# Altium PCB Time4CM4_Modular.PcbDoc (part 2 of 2) (continued)
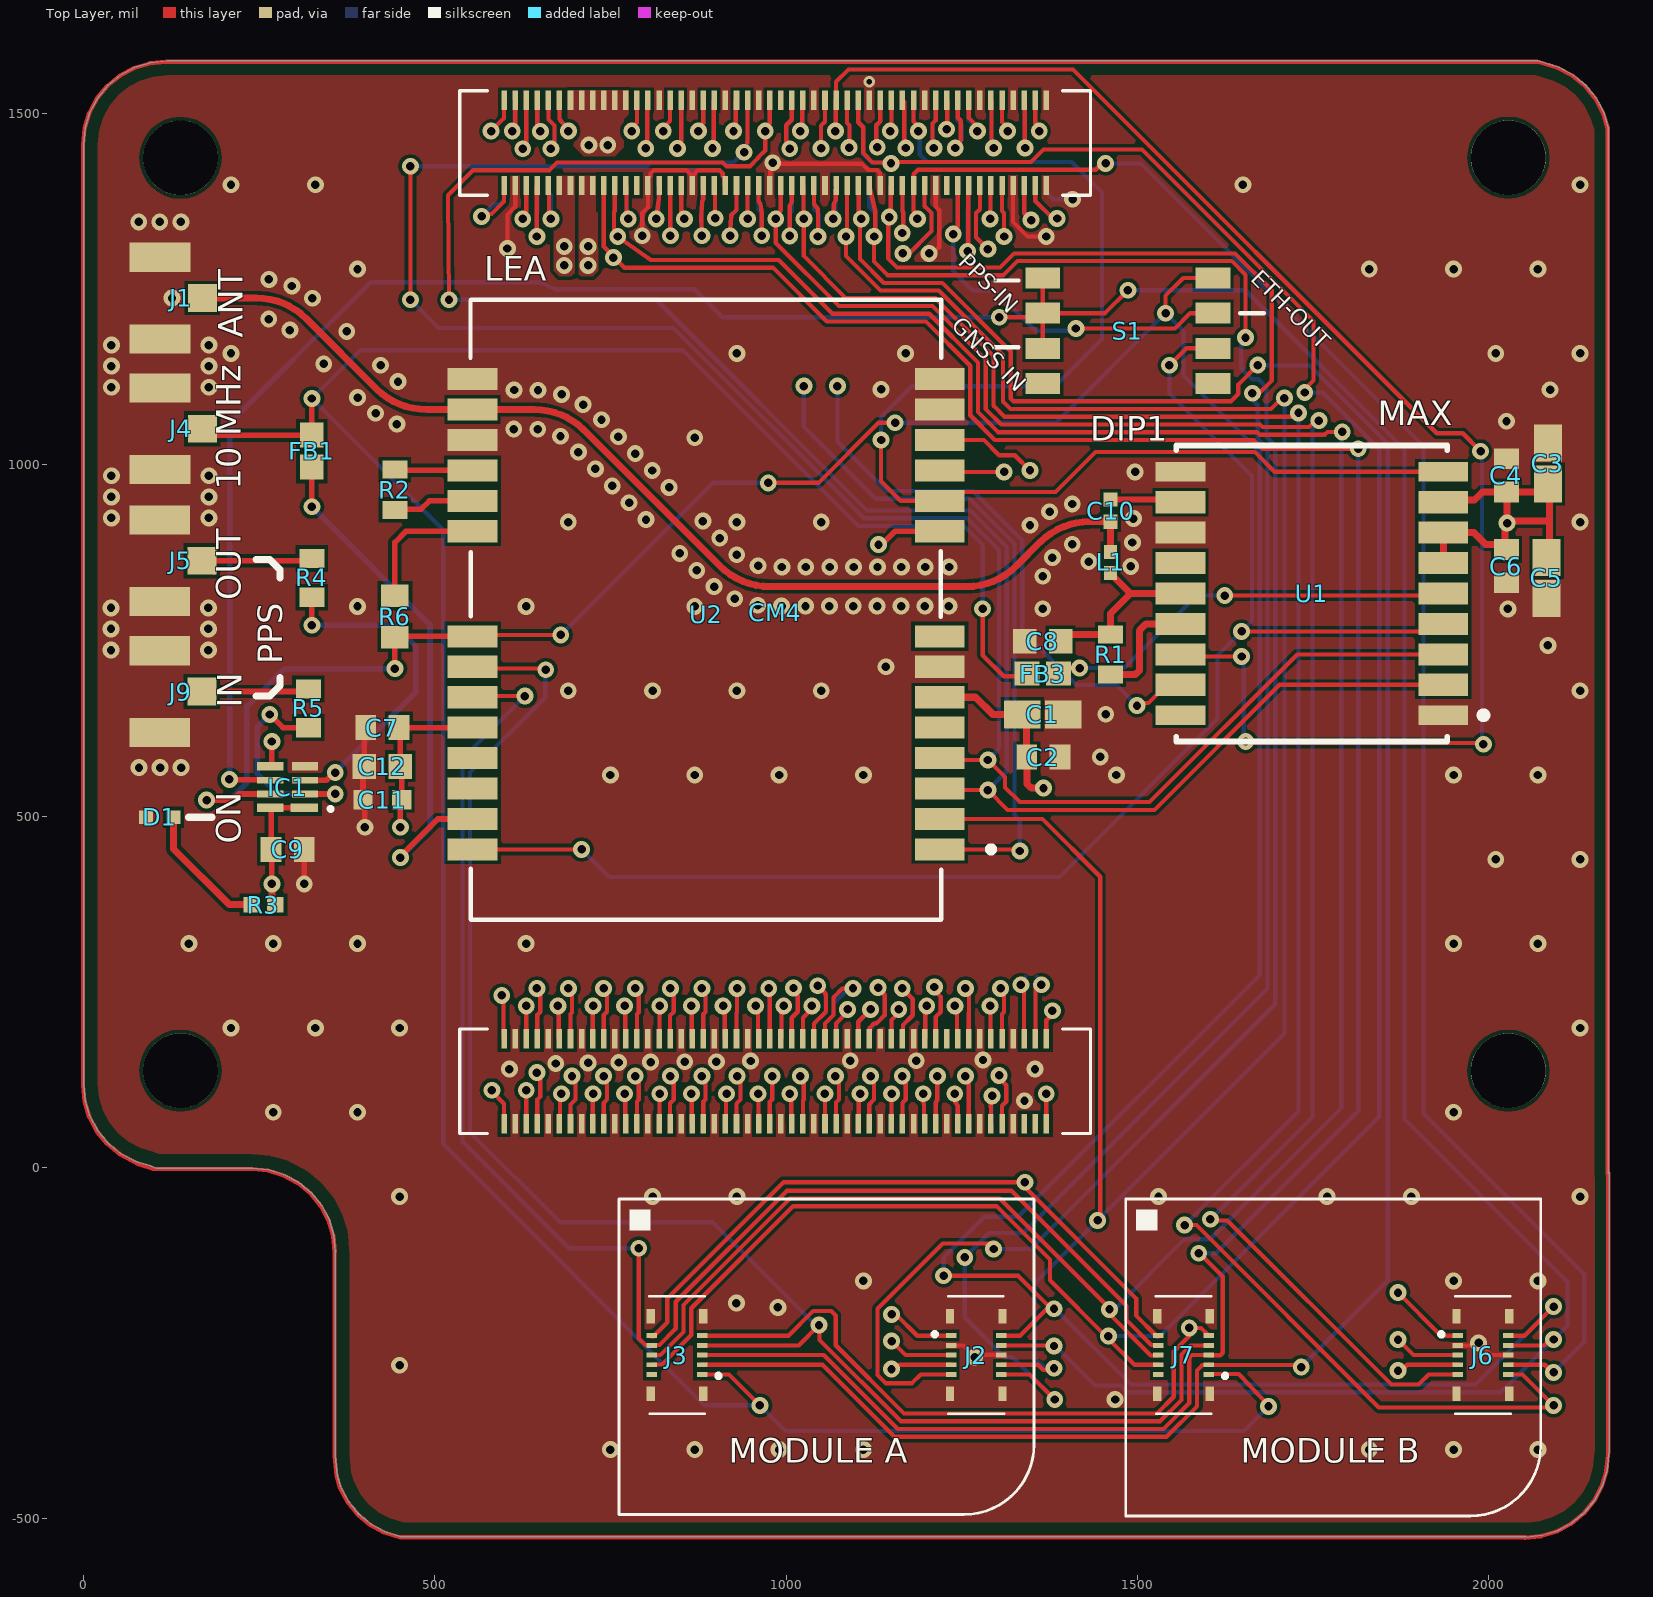
[diagram p0: Top Layer view]
## Nets (pads, with @x,y where several pads share a name; then routed paths per layer and width w, separated by ;. In a path a pad name is that pad's centre, name@x,y a point inside that pad or via, vN(x,y) a via of type N, cw(c..) or ccw(c..) an arc to the next point about the centre after c; other vN are vias at no path point) (continued)
  Top Layer w6: CM4.172@818.9,62.2 819.45,62.76 819.45,104.45 v1(820,105)
  Bottom Layer w6: CM1.172@818.9,62.01 819.45,62.56 819.45,104.45 v1(820,105)
HDMI0_TX2_P: CM1.170 CM4.170 | length 132.4
  Top Layer w6: CM4.170@834.65,62.2 834.65,91.36 840,96.72 v1@840,120.13
  Bottom Layer w6: CM1.170@834.65,62.01 834.65,91.36 840,96.72 840,120.13 835,125.13 v1(835,130)
HDMI1_CEC: CM1.149 CM4.149 | length 96.8
  Top Layer w6: CM4.149@992.13,183.46 993.06,184.4 993.06,226.69 v1(996.38,230)
  Bottom Layer w6: CM1.149@992.13,183.27 993.06,184.21 993.06,226.69 v1(996.38,230)
HDMI1_CLK_N: CM1.166 CM4.166 | length 86.7
  Top Layer w6: v1(865,105) 865.57,104.43 865.57,62.78 CM4.166@866.14,62.2
  Bottom Layer w6: v1(865,105) 865.57,104.43 865.57,62.58 CM1.166@866.14,62.01
HDMI1_CLK_P: CM1.164 CM4.164 | length 130.6
  Top Layer w6: CM4.164@881.89,62.2 881.89,93.61 885,96.72 v1@885,120.13
  Bottom Layer w6: v1(880,130) 880,125.13 885,120.13 885,96.72 881.89,93.61 CM1.164@881.89,62.01
HDMI1_HP: CM1.143 CM4.143 | length 206.8
  Top Layer w6: CM4.143@1039.37,183.46 1039.37,204.71 1056.38,221.72 1056.38,244.39 ccw(c1050.38,244.39) 1055.35,247.76 1054.7,248.71 ; v1(1044.87,258.7) 1053.98,249.59 ; 1053.98,249.59 cw(c1049.73,245.35) 1054.7,248.71 ; 1053.98,249.59 cw(c1049.73,245.35) 1054.7,248.71
  Bottom Layer w6: CM1.143@1039.37,183.27 1039.37,202.22 ; v1(1044.87,258.7) 1054.03,249.54 ; 1039.37,202.22 cw(c1045.37,202.22) 1041.11,206.45 ; 1039.37,202.22 cw(c1045.37,202.22) 1041.11,206.45 ; 1041.11,206.45 1054.03,219.36 ; 1054.03,219.36 ccw(c1049.78,223.61) 1055.78,223.61 cw(c1049.78,223.61) 1054.03,219.37 ; 1054.03,249.54 cw(c1049.78,245.29) 1055.78,245.29 ; 1054.03,249.54 cw(c1049.78,245.29) 1055.78,245.29 ; 1055.78,235.49 ccw(c1061.78,235.52) 1055.91,234.28 ; 1055.78,235.49 1055.78,245.29 ; 1055.78,235.49 1055.78,245.29 ; 1055.91,225.7 ccw(c1061.78,224.48) 1055.78,224.51 cw(c1061.78,224.48) 1055.91,225.7 ; 1055.91,225.7 ccw(c1036.38,230) 1055.91,234.28 ; 1055.91,225.7 ccw(c1036.38,230) 1055.91,234.28
HDMI1_SCL: CM1.147 CM4.147 | length 142.8
  Top Layer w6: CM4.147@1007.87,183.46 1007.87,213.21 1016.38,221.72 1016.38,244.47
  Bottom Layer w6: CM1.147@1007.87,183.27 1007.87,213.21 1016.38,221.72 1016.38,244.47 1010.25,250.59 v1(1010.25,255.46)
HDMI1_SDA: CM1.145 CM4.145 | length 112.7
  Top Layer w6: CM4.145@1023.62,183.46 1023.62,213.06 1032.93,222.37 v1@1032.93,224.07 ; v1(1036.38,230) v1@1034.69,228.31 ; v1@1032.93,224.07 cw(c1038.93,224.07) v1@1034.69,228.31 ; v1@1032.93,224.07 cw(c1038.93,224.07) v1@1034.69,228.31
  Bottom Layer w6: CM1.145@1023.62,183.27 1023.62,213.06 1032.93,222.37 v1@1032.93,224.07 ; v1(1036.38,230) v1@1034.69,228.31 ; v1@1032.93,224.07 cw(c1038.93,224.07) v1@1034.69,228.31 ; v1@1032.93,224.07 cw(c1038.93,224.07) v1@1034.69,228.31
HDMI1_TX0_N: CM1.160 CM4.160 | length 87.1
  Top Layer w6: CM4.160@913.39,62.2 914.19,63.01 914.19,104.19 v1(915,105)
  Bottom Layer w6: CM1.160@913.39,62.01 914.19,62.82 914.19,104.19 v1(915,105)
HDMI1_TX0_P: CM1.158 CM4.158 | length 132.8
  Top Layer w6: CM4.158@929.13,62.2 929.13,90.85 935,96.72 v1@935,120.13
  Bottom Layer w6: CM1.158@929.13,62.01 929.13,90.85 935,96.72 935,120.13 930,125.13 v1(930,130)
HDMI1_TX1_N: CM1.154 CM4.154 | length 86.3
  Top Layer w6: v1(960,105) 960.31,104.69 960.31,62.52 CM4.154@960.63,62.2
  Bottom Layer w6: v1(960,105) 960.31,104.69 960.31,62.32 CM1.154@960.63,62.01
HDMI1_TX1_P: CM1.152 CM4.152 | length 138.8
  Top Layer w6: CM4.152@976.38,62.2 976.38,93.09 980,96.72 v1(980,130)
  Bottom Layer w6: CM1.152@976.38,62.01 976.38,93.09 980,96.72 v1(980,130)
HDMI1_TX2_N: CM1.148 CM4.148 | length 88.2
  Top Layer w6: v1(1005,105) 1006.94,103.06 1006.94,63.14 CM4.148@1007.87,62.2
  Bottom Layer w6: v1(1005,105) 1006.94,103.06 1006.94,62.95 CM1.148@1007.87,62.01
HDMI1_TX2_P: CM1.146 CM4.146 | length 129.1
  Top Layer w6: CM4.146@1023.62,62.2 1023.62,95.34 1025,96.72 v1@1025,120.13
  Bottom Layer w6: v1(1020,130) 1020,125.13 1025,120.13 1025,96.72 1023.62,95.34 CM1.146@1023.62,62.01
LEA_EXTINT0: FB1.2 U2.27 | length 775.3
  Top Layer w6: U2.27@549.39,492.12 U2.27@553.33,496.06
  Top Layer w8: v1(324.8,940.35) FB1.2@324.8,997 ; v1(450.79,440.95) 450.79,442.91 503.94,496.06 U2.27@553.33,496.06
  Bottom Layer w8: v1(324.8,940.35) 493,772.16 493,483.16 v1(450.79,440.95)
LEA_V_ANT: R2.2 U2.19 | length 116
  Top Layer w6: U2.19@553.14,948.63 U2.19@553.33,948.82
  Top Layer w8: R2.2@442.91,936.02 443.89,937 480.31,937 492.13,948.82 U2.19@553.33,948.82
LEA_VCC_RF: R2.1 U2.18 | length 110.8
  Top Layer w8: R2.1@442.91,993.11 443.9,992.13 U2.18@553.33,992.13
LED_ACT: CM1.21 CM4.21 | length 140.7
  Top Layer w6: v1(1210,1451) 1208.25,1452.75 1208.25,1485.95 1212.6,1490.3 CM4.21@1212.6,1518.9
  Bottom Layer w6: v1(1210,1451) 1208.25,1452.75 1208.25,1485.95 1212.6,1490.3 CM1.21@1212.6,1518.7
LED_PWR: CM1.95 CM4.95 | length 129.8
  Top Layer w6: v1@629.92,1459.79 CM4.95@629.92,1518.9
  Bottom Layer w6: v1(625,1450) 625,1454.87 629.92,1459.79 CM1.95@629.92,1518.7
MAX_EXTINT: FB3.2 U1.5 | length 594.6
  Top Layer w6: FB3.2@1387.68,703 1395.42,710.74 v1(1417.57,710.74) ; v1(1624,814) 1932.15,814 U1.5@1935.08,816.93
  Bottom Layer w6: v1(1417.57,710.74) 1480.98,710.74 1584.25,814 v1(1624,814)
MAX_V_ANT: R1.2 U1.15 | length 162.9
  Top Layer w10: R1.2@1461.44,701.56 1496.7,701.56 1502.56,707.42 1502.56,764.55 1511.63,773.62 U1.15@1561.06,773.62
MAX_VCC_RF: C8.2 L1.1 R1.1 U1.14 | length 257.1
  Top Layer w10: C8.2@1390.59,749 1400.24,758.65 R1.1@1461.44,758.65 1461.44,788.52 1489.85,816.93 ; L1.1@1461.44,846.18 1461.44,845.34 1489.85,816.93 ; U1.14@1561.06,816.93 1489.85,816.93
NetC10_1: C10.1 U1.11 | length 101.3
  Top Layer w8: C10.1@1461.44,950.79 1557.13,950.79 U1.11@1561.06,946.85
NetD1_2: D1.2 R3.2 | length 194.1
  Top Layer w10: D1.2@127.95,498.5 127.95,453.39 207.33,374.02 R3.2@244.09,374.02
nEXTRST: CM1.100 CM4.100 | length 126.9
  Top Layer w6: v1(566.39,1353.61) 569.83,1357.06 580.62,1357.06 598.43,1374.86 CM4.100@598.43,1397.64
  Bottom Layer w6: v1(566.39,1353.61) 583.77,1371 592,1371 598.43,1377.43 CM1.100@598.43,1397.44 CM1.100@597.49,1396.5
nRPIBOOT: CM1.93 CM4.93 | length 91.1
  Top Layer w6: CM4.93@645.67,1518.9 645.67,1485.16 ccw(c660.45,1485.16) v1(650,1474.71)
  Bottom Layer w6: CM1.93@645.67,1518.7 646.61,1517.76 646.61,1478.11 v1(650,1474.71)
PCIe_CLK_N: CM1.112 CM4.112 | length 78.9
  Top Layer w6: 1290.98,86.3 cw(c1296.94,87.06) 1290.94,87.03 1290.94,99.94 v1(1293,102) ; CM4.112@1291.34,62.2 1291.34,83.15 ccw(c1285.34,83.15) 1291.29,83.9
  Bottom Layer w6: CM1.112@1291.34,62.01 1292.17,62.84 1292.17,101.17 v1(1293,102)
PCIe_CLK_nREQ: CM1.102 CM4.102 | length 85.9
  Top Layer w6: v1(1370,105) 1370.04,104.96 1370.04,62.24 CM4.102@1370.08,62.2
  Bottom Layer w6: v1(1370,105) 1370.04,104.96 CM1.102@1370.04,62.05 ; CM1.102@1370.04,62.05 CM1.102@1370.08,62.01
PCIe_CLK_P: CM1.110 CM4.110 | length 137.3
  Top Layer w6: CM4.110@1307.09,62.2 1307.09,87.8 1313,93.72 1313,117.13 1310,120.13
  Bottom Layer w6: v1(1302.85,131) 1302.85,127.28 1313,117.13 1313,93.72 1307.09,87.8 CM1.110@1307.09,62.01
PCIe_nRST: CM1.109 CM4.109 | length 137.9
  Top Layer w6: CM4.109@1307.09,183.46 1307.09,218.23 1310,221.14 v1@1310,245.13
  Bottom Layer w6: v1(1305,255) 1305,250.13 1310,245.13 1310,221.05 1307.09,218.13 CM1.109@1307.09,183.27
PCIe_RX_N: CM1.118 CM4.118 | length 94
  Top Layer w6: v1@1240,103.63 ccw(c1234,103.63) v1(1239.84,105) 1240,104.84 v1@1240,95.49 ; 1242.36,90.64 cw(c1238.09,86.43) 1244.09,86.43 CM4.118@1244.09,62.2 ; v1@1240,95.49 ccw(c1246,95.49) 1241.75,91.26 cw(c1246,95.49) v1@1240,95.49
  Bottom Layer w6: v1(1239.84,105) 1243.16,101.69 1243.16,62.95 CM1.118@1244.09,62.01
PCIe_RX_P: CM1.116 CM4.116 | length 125.6
  Top Layer w6: CM4.116@1259.84,62.2 1259.84,117.8
  Bottom Layer w6: v1(1255,130) 1255,125.13 1259.84,120.29 CM1.116@1259.84,62.01
PCIe_TX_N: CM1.124 CM4.124 | length 86.3
  Top Layer w6: v1(1195,105) v1@1195,94.06 ; CM4.124@1196.85,62.2 1195.91,72.98 1195.91,88.64 ; v1@1195,94.06 ccw(c1201,94.1) 1195.14,92.8 cw(c1201,94.1) v1@1195,94.06 ; 1195.91,88.64 ccw(c1189.91,88.64) 1195.77,89.94 cw(c1189.91,88.64) 1195.91,88.64
  Bottom Layer w6: v1(1195,105) 1195.92,104.08 1195.92,62.93 CM1.124@1196.85,62.01
PCIe_TX_P: CM1.122 CM4.122 | length 138.9
  Top Layer w6: CM4.122@1212.6,62.2 1212.6,90.11 cw(c1218.6,90.11) 1213.41,93.12 ; v1(1215,130) 1215,97.48 ; 1215,97.49 cw(c1209,97.49) 1214.19,94.48 ccw(c1209,97.49) 1215,97.49
  Bottom Layer w6: CM1.122@1212.6,62.01 1212.6,94.31 1215,96.72 v1(1215,130)
PPS: IC1.6 J2.4 J6.4 S1.B2 S1.B3 S1.B4 | length 4825.2
  Top Layer w6: IC1.6@265.36,551.57 IC1.6@265.75,551.18 ; v1(1303.15,1210.17) 1359.38,1210.17 S1.B3@1365.16,1215.94 ; J2.4@1306.2,-253.17 1379.54,-253.17 v1@1380.38,-254 ; S1.B2@1365.16,1165.94 S1.B3@1365.16,1215.94 ; S1.B4@1365.16,1265.94 S1.B3@1365.16,1215.94 ; v1(1486.22,1248.59) 1453.57,1215.94 S1.B3@1365.16,1215.94 ; J6.4@2027.24,-253.17 2078.8,-253.17 v1@2084.96,-247
  Top Layer w8: v1(207.33,552.31) 207.89,551.75 265.18,551.75 IC1.6@265.36,551.57
  Bottom Layer w6: 297.46,1148.84 408.62,1260 649.73,1260 670.88,1250 869.26,1250 909.09,1210.17 v1(1303.15,1210.17) ; v1(1381,-254) 1383.17,-254 1439.39,-310.22 1476.27,-310.22 1486.05,-320 2016.83,-320 v1(2092,-244.83) 2112,-224.83 2112,-163.18 1879.92,68.9 1879.92,1021.92 1653.25,1248.59 v1(1486.22,1248.59)
  Bottom Layer w8: v1(207.33,552.31) 207.68,552.66 207.68,1059.06 297.46,1148.84
PPS_IN: IC1.7 J2.2 J6.2 R6.1 S1.A4 U2.21 | length 4724.8
  Top Layer w6: U2.21@553.33,755.9 555.42,758 v1(679,758) ; v1(974.41,974.41) 1045.69,974.41 1131.28,1060 v1(1154.98,1060) ; v1(1224,-154) 1330,-154 v1@1374,-198 ; J2.2@1306.2,-239.39 1332.61,-239.39 1371,-201 v1(1381,-201) ; v1(1539.83,1215.89) 1539.83,1240.83 1564.94,1265.94 S1.A4@1607.28,1265.94 ; J6.2@2027.24,-239.39 2050.61,-239.39 v1(2092,-198)
  Top Layer w8: v1(175.06,522.97) 212.01,522.97 220.54,531.5 IC1.7@265.75,531.5 ; v1(442.91,710) R6.1@442.91,754.73 444.09,755.9 U2.21@553.33,755.9
  Bottom Layer w6: v1@675.3,758 v1(679,758) 895.41,974.41 v1(974.41,974.41) ; v1(1154.98,1060) 1383.94,1060 v1(1539.83,1215.89) 1565.27,1190.44 1565.27,1127.01 1674,1018.28 1674,273.84 1330,-70.16 1282.26,-70.16 1224,-128.43 v1(1224,-154) ; v1(1381,-201) 1382.61,-201 1490.61,-309 1981,-309 v1(2092,-198)
  Bottom Layer w8: v1(175.06,522.97) 207.68,522.97 232.28,547.57 232.28,656.29 285.99,710 v1(442.91,710)
PPS_IN_ALT: R6.2 U2.20 | length 192.9
  Top Layer w8: R6.2@442.91,813.78 442.91,889.76 458.66,905.51 U2.20@553.33,905.51
PPS_IN_BUFFER: IC1.2 R5.2 | length 320.3
  Top Layer w6: IC1.2@314.96,531.5 IC1.2@315.07,531.61 ; v1@357.89,531.61 v1(358,531.72)
  Top Layer w8: v1(264.94,644.69) 283.65,625.98 R5.2@319.88,625.98 ; IC1.2@315.07,531.61 v1@357.89,531.61
  Bottom Layer w8: v1(264.94,644.69) 246.93,626.67 246.93,560.8 276.01,531.72 v1(358,531.72)
PPS_IN_UFL: J9.1 R5.1 | length 162.1
  Top Layer w8: J9.1@175.06,670.66 J9.1@168.31,677.41 310.98,677.41 ccw(c310.98,690.01) R5.1@319.88,681.1
PPS_OUT_BUFFER: IC1.3 R4.2 | length 474.9
  Top Layer w8: IC1.3@314.96,551.18 345.66,551.18 356.48,562 v1(358,562) ; v1(324.8,771.65) R4.2@324.8,811.65
  Bottom Layer w8: v1(324.8,771.65) 442.91,771.65 472.44,742.13 472.44,676.44 v1(358,562)
PPS_OUT_GNSS: S1.A2 U1.4 U2.28 | length 2105.7
  Top Layer w6: U2.28@553.33,452.76 v1(708.66,452.76) ; v1(1545.27,1141.73) 1569.49,1165.94 S1.A2@1607.28,1165.94 ; v1(1648,763) 1924.46,763 U1.4@1935.08,773.62
  Bottom Layer w6: v1(708.66,452.76) 748.03,413.39 1388.64,413.39 1613.92,638.67 1613.92,728.92 1662.79,777.79 1662.79,984.21 1545.27,1101.73 v1(1545.27,1141.73)
PPS_OUT_UFL: J5.1 R4.1 | length 179.8
  Top Layer w8: J5.1@168.31,863.44 316.75,863.44 ccw(c316.75,874.82) R4.1@324.8,866.77 ; J5.1@169.29,863.44 184.98,847.75 J5.1@184.98,847.5
REF_FREQ_OUT: J3.10 J7.10 U2.9 | length 2210
  Top Layer w6: J3.10@811.59,-239.39 830.74,-220.24 830.74,-186.15 995.89,-21 1332.7,-21 1498,-186.3 1498,-210.81 J7.10@1526.58,-239.39
  Top Layer w8: J3.10@808.57,-239.39 J3.10@811.59,-239.39 ; 1142.92,893.7 1154.74,905.51 U2.9@1218.33,905.51 ; J7.10@1526.58,-239.39 J7.10@1529.6,-239.39
  Int2 (PWR) w6: v1(1131.28,886.42) 1289.82,886.42 1313.85,862.39 1313.85,684.61 1400.45,598 1400.45,560.53 1468.5,492.48 1468.5,107.99 v1(1339.52,-21)
RUN_PG: CM1.92 CM4.92 | length 98
  Top Layer w6: CM4.92@661.42,1397.64 662.35,1396.7 662.35,1352.65 v1(665,1350)
  Bottom Layer w6: CM1.92@661.42,1397.44 661.42,1387.6 665,1384.02 v1(665,1350)
SCL_DAC_BUS: J3.8 J7.8 U2.23 | length 2147.9
  Top Layer w6: U2.23@553.33,669.29 555.04,671 v1(628,671) ; v1(790,-115) 790,-243.16 799.47,-252.62 808.02,-252.62 J3.8@808.57,-253.17 809.11,-252.62 819.5,-252.62 842.74,-229.38 842.74,-191.12 1000.86,-33 1320.28,-33 1484,-196.72 1484,-217.12 1519.5,-252.62 1528.06,-252.62 J7.8@1528.65,-253.21
  Bottom Layer w6: v1(628,671) 539,582 539,37 691,-115 v1(790,-115)
SD_CLK: CM1.57 CM4.57 | length 91.1
  Top Layer w6: v1(924.88,1475) 928.2,1478.32 928.2,1517.96 CM4.57@929.13,1518.9
  Bottom Layer w6: v1(924.88,1475) 928.2,1478.32 928.2,1517.76 CM1.57@929.13,1518.7
SD_CMD: CM1.62 CM4.62 | length 93.9
  Top Layer w6: CM4.62@897.64,1397.64 898.57,1396.7 898.57,1375.49 898.62,1371.86 898.86,1351.55 v1(898.87,1351)
  Bottom Layer w6: CM1.62@897.64,1397.44 898.57,1396.5 898.57,1375.55 ccw(c904.58,1375.55) 898.58,1375.48 898.86,1351.55 v1(898.87,1351)
SD_DAT0: CM1.63 CM4.63 | length 93.3
  Top Layer w6: v1(875,1475) 875,1479.87 881.89,1486.76 CM4.63@881.89,1518.9
  Bottom Layer w6: v1(875,1475) 875,1479.87 881.89,1486.76 CM1.63@881.89,1518.7
SD_DAT1: CM1.67 CM4.67 | length 129.2
  Top Layer w6: v1@850.39,1460.26 CM4.67@850.39,1518.9
  Bottom Layer w6: v1(845,1450.42) 845,1455.29 850.39,1460.68 CM1.67@850.39,1518.7
SD_DAT2: CM1.69 CM4.69 | length 95.6
  Top Layer w6: v1(825,1475) 825,1479.87 834.65,1489.52 CM4.69@834.65,1518.9
  Bottom Layer w6: v1(825,1475) 825,1479.87 834.65,1489.52 CM1.69@834.65,1518.7
SD_DAT3: CM1.61 CM4.61 | length 139
  Top Layer w6: v1(895,1450.42) 896.7,1452.12 896.7,1517.96 CM4.61@897.64,1518.9
  Bottom Layer w6: v1(895,1450.42) 896.7,1452.12 896.7,1517.76 CM1.61@897.64,1518.7
SD_DAT4: CM1.68 CM4.68 | length 87.5
  Top Layer w6: v1@850.39,1359.48 CM4.68@850.39,1397.64
  Bottom Layer w6: CM1.68@850.39,1397.44 850.39,1359.48 855,1354.87 v1(855,1350)
SD_DAT5: CM1.64 CM4.64 | length 141.3
  Top Layer w6: v1(880,1326) 878.88,1350.32 878.87,1350.41 878.86,1351.16 cw(c898.86,1351.55) 878.88,1352.62 880.01,1372.85 cw(c886,1372.51) 880.49,1374.89 ; 881.4,1377 ccw(c875.89,1379.38) 881.89,1379.38 CM4.64@881.89,1397.64
  Bottom Layer w6: v1(880,1326) 878.88,1350.32 878.87,1350.41 878.86,1351.09 878.89,1352.71 CM1.64@881.89,1397.44
SD_DAT6: CM1.72 CM4.72 | length 97.7
  Top Layer w6: v1(815,1350) 817.74,1371.86 818.85,1380.72 ; CM4.72@818.9,1397.64 818.9,1381.46 ; 818.85,1380.72 ccw(c812.9,1381.46) 818.9,1381.46 ; 818.85,1380.72 ccw(c812.9,1381.46) 818.9,1381.46
  Bottom Layer w6: v1(815,1350) 817.96,1352.96 817.96,1396.5 CM1.72@818.9,1397.44
SD_DAT7: CM1.70 CM4.70 | length 132.4
  Top Layer w6: v1(835,1326) 835,1358.28 CM4.70@834.99,1386.86
  Bottom Layer w6: CM1.70@834.65,1397.44 834.65,1360.17 835,1359.81 v1(835,1326)
SD_PWR_ON: CM1.75 CM4.75 | length 93.7
  Top Layer w6: v1(780,1475) 780,1479.87 787.4,1487.27 CM4.75@787.4,1518.9
  Bottom Layer w6: v1(780,1475) 780,1479.87 787.4,1487.27 CM1.75@787.4,1518.7
SD_VDD_OR: CM1.73 CM4.73 | length 139.4
  Top Layer w6: v1(800,1450.42) 802.21,1452.63 802.21,1517.96 CM4.73@803.15,1518.9
  Bottom Layer w6: v1(800,1450.42) 802.21,1452.63 802.21,1517.76 CM1.73@803.15,1518.7
SDA_DAC_BUS: J3.7 J7.7 U2.22 | length 2302.3
  Top Layer w6: U2.22@553.33,712.6 555.92,710 656,710 v1(657.64,708.36) ; J3.7@880.22,-253.17 1017.77,-253.17 v1(1046.53,-224.41) ; v1@1044.97,-225.97 1047.35,-228.35 1047.35,-245.41 1163.16,-361.22 1532.08,-361.22 1562.49,-330.8 1562.49,-266.23 1575.56,-253.17 J7.7@1601.25,-253.17
  Bottom Layer w6: v1(657.64,708.36) 657,707.72 657,669 550,562 550,50 677.77,-77.77 895.06,-77.77 1041.69,-224.41 v1(1046.53,-224.41)
TP2: J3.9 J7.9 U2.12 | length 2398.3
  Top Layer w6: J3.9@880.22,-239.39 1003.27,-239.39 1038.25,-204.41 1064.02,-204.41 1070.39,-210.78 1070.39,-252.89 1167.72,-350.22 1527.52,-350.22 1551.49,-326.24 1551.49,-261.68 1573.49,-239.68 v1(1573.49,-228.35) 1590.21,-228.35 J7.9@1601.25,-239.39 ; U2.12@1218.33,1035.43 1281.36,1035.43 1303.01,1013.78 1325.19,1013.78 v1(1346.84,992.13)
  Int2 (PWR) w6: v1(1346.84,992.13) 1346.84,948.51 1325.85,927.51 1325.85,696.52 1417.57,604.79 1417.57,560.38 1484.25,493.7 1484.25,-139.1 v1(1573.49,-228.35)
UART_RX: CM1.55 CM4.55 U1.3 U2.4 | length 2921.6
  Top Layer w6: v1@465,1240.03 v1(465,1425) ; 944.59,1458.62 ccw(c938.88,1460.45) 944.88,1460.42 CM4.55@944.88,1518.9 ; U2.4@1218.33,582.68 1221,580 v1(1287,580) 1311.42,555.58 1311.42,540.98 1332.4,520 1517,520 1727.32,730.32 U1.3@1935.08,730.32
  Bottom Layer w6: v1(465,1235) 505,1195 839.44,1195 1110.4,924.04 1257.46,924.04 1302.85,878.65 1302.85,595.85 v1(1287,580) ; v1(465,1425) 801.87,1425 807.29,1430.42 924.89,1430.42 939.47,1445 v1(940,1445) ; v1@944.88,1454.75 CM1.55@944.88,1518.7
UART_TX: CM1.51 CM4.51 U1.2 U2.3 | length 2837.7
  Top Layer w6: v1(520,1235) 518.7,1381.19 518.7,1383.7 554.42,1419.42 662.83,1419.42 673.83,1430.42 909.45,1430.42 914.86,1425 948.28,1425 960,1436.72 960,1437.61 970,1447.61 v1(970,1475) ; 976.38,1486.25 CM4.51@976.38,1518.9 ; U2.3@1218.33,539.37 1220.58,537.12 v1(1287,537.12) 1315.12,509 1524,509 1702.01,687.01 U1.2@1935.08,687.01
  Bottom Layer w6: v1(520,1235) 815,1235 1114.96,935.04 1262.02,935.04 1313.85,883.21 1313.85,563.96 v1(1287,537.12) ; v1(970,1475) 970,1479.87 976.38,1486.25 CM1.51@976.38,1518.7
USB_N: CM1.103 CM4.103 | length 166.9
  Top Layer w6: CM4.103@1354.33,183.46 1354.66,188.86 v1@1354.66,255.66 ; CM4.103@1354.99,194.08 ccw(c1349,194.43) CM4.103@1355,194.43
  Bottom Layer w6: CM1.103@1354.33,183.27 1354.66,183.6 1354.66,251.66 v1(1363,260) 1359.69,263.31 1359.69,268.18 1356.5,271.37
USB_OTG: CM1.101 CM4.101 | length 86.4
  Top Layer w6: CM4.101@1370.08,183.46 1370.08,209.47 1378.74,218.13 v1(1378.74,223)
  Bottom Layer w6: CM1.101@1370.08,183.27 1370.08,209.47 1378.74,218.13 v1(1378.74,223)
USB_P: CM1.105 CM4.105 | length 146.3
  Top Layer w6: CM4.105@1338.33,183.96 v1@1338.33,250.81
  Bottom Layer w6: v1(1334,260.01) 1334,264.88 1340.5,271.39 ; CM1.105@1338.33,195.96 v1@1338.33,260.01 ; CM1.105@1338.58,183.27 CM1.105@1339.52,182.33
VDAC_COMP: CM1.111 CM4.111 | length 94.4
  Top Layer w6: v1(1290,230) 1290.67,229.33 1290.67,184.13 CM4.111@1291.34,183.46
  Bottom Layer w6: v1(1290,230) 1290.67,229.33 1290.67,183.94 CM1.111@1291.34,183.27
WL_DIS: CM1.89 CM4.89 | length 97.9
  Top Layer w6: CM4.89@677.17,1518.9 677.17,1493.87 ccw(c683.17,1493.88) 678.9,1489.65 690,1478.55 v1(690,1475.04)
  Bottom Layer w6: CM1.89@677.17,1518.7 677.17,1491.91 690,1479.07 v1(690,1475.04)
pads on no net: CM1.20 CM1.49 CM1.76 CM1.104 CM1.106 CM1.119 CM4.20 CM4.49 CM4.76 CM4.104 CM4.106 CM4.119 J3.2 J7.2 S1.A1 S1.B1 U1.13 U1.18 U2.5 U2.8 U2.25 U2.26
copper on no net: | length 8240.4
  Top Layer w6: 239.27,-2.2 262.31,-4.47 284.47,-11.19 304.89,-22.1 322.78,-36.79 337.47,-54.69 348.39,-75.11 355.11,-97.27 357.38,-120.31 ; 239.27,-1.93 99.41,-2 79.04,4.18 51.49,18.9 33.59,33.59 18.91,51.49 7.99,71.91 1.27,94.07 -1,117.11 -1,1455.69 1.27,1478.73 7.99,1500.89 18.91,1521.31 33.59,1539.21 51.49,1553.9 71.91,1564.81 94.07,1571.53 117.11,1573.8 2068.57,1573.8 ; 357,-120.31 357,-410.89 359.75,-438.82 364.99,-456.09 375.91,-476.51 390.59,-494.41 408.49,-509.1 427.62,-519.32 450.64,-526.3 2051.27,-526.3 ; 2051.27,-527 2074.31,-524.73 2096.47,-518.01 2116.89,-507.1 2134.78,-492.41 2149.47,-474.51 2160.39,-454.09 2167.11,-431.93 2169.38,-408.89 ; 2068.57,1573.88 2098.47,1564.81 2118.89,1553.9 2136.78,1539.21 2151.47,1521.31 2162.39,1500.89 2169.11,1478.73 2169.11,-9.62 ; 2170,-406.58 2170,-8

## Polygon pours and split planes (outlines as drawn)
GND on Bottom Layer "GND_L04_P017" (solid, pour order 17): 72.91,8.99 95.07,2.27 103,-1 240.27,-0.93 240.27,-1.2 263.31,-3.47 285.47,-10.19 305.89,-21.1 323.78,-35.79 338.47,-53.69 349.39,-74.11 356.11,-96.27 358.38,-119.31 358,-119.31 358,-409.89 360.75,-437.82 365.99,-455.09 376.91,-475.51 391.59,-493.41 409.49,-508.1 428.62,-518.32 451.64,-525.3 2052.27,-525.3 2052.27,-526 2075.31,-523.73 2097.47,-517.01 2117.89,-506.1 2135.78,-491.41 2150.47,-473.51 2161.39,-453.09 2168.11,-430.93 2170.38,-407.89 2171,-405.58 2171,-7 2170.11,-8.62 2170.11,1479.73 2163.39,1501.89 2152.47,1522.31 2137.78,1540.21 2119.89,1554.9 2099.47,1565.81 2069.57,1574.88 2069.57,1574.8 118.11,1574.8 95.07,1572.53 72.91,1565.81 52.49,1554.9 34.59,1540.21 19.91,1522.31 8.99,1501.89 2.27,1479.73 0,1456.69 0,118.11 2.27,95.07 8.99,72.91 19.91,52.49 34.59,34.59 52.49,19.9
1V8 on Bottom Layer "1V8_L04_P000" (solid, pour order 0): 673,1411 673,1361 669,1357 669,1276 677,1268 694,1268 699,1273 699,1411
5V on Bottom Layer "5V_L04_P005" (solid, pour order 5): 689,1533 689,1462 712,1439 756,1439 769,1452 769,1492 776,1499 776,1533
3V3 on Bottom Layer "3V3_L04_P001" (solid, pour order 1): 728.57,1411 728.57,1361 732.57,1357 732.57,1276 724.57,1268 707.57,1268 702.57,1273 702.57,1411
GND on Top Layer "GND_L01_P018" (solid, pour order 18): 72.91,8.99 95.07,2.27 103,-1 240.27,-0.93 240.27,-1.2 263.31,-3.47 285.47,-10.19 305.89,-21.1 323.78,-35.79 338.47,-53.69 349.39,-74.11 356.11,-96.27 358.38,-119.31 358,-119.31 358,-409.89 360.75,-437.82 365.99,-455.09 376.91,-475.51 391.59,-493.41 409.49,-508.1 428.62,-518.32 451.64,-525.3 2052.27,-525.3 2052.27,-526 2075.31,-523.73 2097.47,-517.01 2117.89,-506.1 2135.78,-491.41 2150.47,-473.51 2161.39,-453.09 2168.11,-430.93 2170.38,-407.89 2171,-405.58 2171,-7 2170.11,-8.62 2170.11,1479.73 2163.39,1501.89 2152.47,1522.31 2137.78,1540.21 2119.89,1554.9 2099.47,1565.81 2069.57,1574.88 2069.57,1574.8 118.11,1574.8 95.07,1572.53 72.91,1565.81 52.49,1554.9 34.59,1540.21 19.91,1522.31 8.99,1501.89 2.27,1479.73 0,1456.69 0,118.11 2.27,95.07 8.99,72.91 19.91,52.49 34.59,34.59 52.49,19.9
5V on Top Layer "5V_L01_P004" (solid, pour order 4): 689,1533 689,1462 712,1439 756,1439 769,1452 769,1492 776,1499 776,1533
3V3 on Top Layer "3V3_L01_P003" (solid, pour order 3): 728.57,1411.2 728.57,1361.2 732.57,1357.2 732.57,1276.2 724.57,1268.2 707.57,1268.2 702.57,1273.2 702.57,1411.2
1V8 on Top Layer "1V8_L01_P002" (solid, pour order 2): 673,1411.2 673,1361.2 669,1357.2 669,1276.2 677,1268.2 694,1268.2 699,1273.2 699,1411.2
GND on Int1 (GND) "GND_L02_P019" (solid, pour order 19): 72.91,8.99 95.07,2.27 103,-1 240.27,-0.93 240.27,-1.2 263.31,-3.47 285.47,-10.19 305.89,-21.1 323.78,-35.79 338.47,-53.69 349.39,-74.11 356.11,-96.27 358.38,-119.31 358,-119.31 358,-409.89 360.75,-437.82 365.99,-455.09 376.91,-475.51 391.59,-493.41 409.49,-508.1 428.62,-518.32 451.64,-525.3 2052.27,-525.3 2052.27,-526 2075.31,-523.73 2097.47,-517.01 2117.89,-506.1 2135.78,-491.41 2150.47,-473.51 2161.39,-453.09 2168.11,-430.93 2170.38,-407.89 2171,-405.58 2171,-7 2170.11,-8.62 2170.11,1479.73 2163.39,1501.89 2152.47,1522.31 2137.78,1540.21 2119.89,1554.9 2099.47,1565.81 2069.57,1574.88 2069.57,1574.8 118.11,1574.8 95.07,1572.53 72.91,1565.81 52.49,1554.9 34.59,1540.21 19.91,1522.31 8.99,1501.89 2.27,1479.73 0,1456.69 0,118.11 2.27,95.07 8.99,72.91 19.91,52.49 34.59,34.59 52.49,19.9
3V3 on Int2 (PWR) "3V3_L03_P020" (solid, pour order 20): 72.91,8.99 95.07,2.27 103,-1 240.27,-0.93 240.27,-1.2 263.31,-3.47 285.47,-10.19 305.89,-21.1 323.78,-35.79 338.47,-53.69 349.39,-74.11 356.11,-96.27 358.38,-119.31 358,-119.31 358,-409.89 360.75,-437.82 365.99,-455.09 376.91,-475.51 391.59,-493.41 409.49,-508.1 428.62,-518.32 451.64,-525.3 2052.27,-525.3 2052.27,-526 2075.31,-523.73 2097.47,-517.01 2117.89,-506.1 2135.78,-491.41 2150.47,-473.51 2161.39,-453.09 2168.11,-430.93 2170.38,-407.89 2171,-405.58 2171,-7 2170.11,-8.62 2170.11,1479.73 2163.39,1501.89 2152.47,1522.31 2137.78,1540.21 2119.89,1554.9 2099.47,1565.81 2069.57,1574.88 2069.57,1574.8 118.11,1574.8 95.07,1572.53 72.91,1565.81 52.49,1554.9 34.59,1540.21 19.91,1522.31 8.99,1501.89 2.27,1479.73 0,1456.69 0,118.11 2.27,95.07 8.99,72.91 19.91,52.49 34.59,34.59 52.49,19.9

## Silkscreen, mask and mechanical layers (free items; w line width, h text height)
Top Overlay:
  rectangle: 777,-90 807,-60
  rectangle: 1498,-90 1528,-60
  lines w3.94: 1252.66,-494 762.11,-494 762.11,-45 1352.66,-45 1352.66,-394 ; 1973.69,-496 1483.14,-496 1483.14,-45 2073.69,-45 2073.69,-396
  lines w4: 1252.66,-494 ccw(c1252.66,-394) 1352.66,-394 ; 1973.69,-496 ccw(c1973.69,-396) 2073.69,-396
  lines w4.72: 1393.32,1383.68 1432.69,1383.68 ; 1393.32,1532.68 1432.69,1532.68
  lines w6: 1297.04,1167.31 1330.42,1167.31 ; 1297.04,1262.46 1330.42,1262.46 ; 1646.24,1215.89 1679.62,1215.89
  lines w10: 149.37,498.5 182.76,498.5 ; 245.25,671.26 264.94,671.26 279.31,685.63 279.31,697.16 ; 245.25,865.12 264.94,865.12 279.31,850.75 279.31,839.21
  text "PPS-IN" at 1237.86,1281.25 h40 r315
  text "ETH-OUT" at 1653.79,1258.04 h40 r315
  text "LEA" at 569.83,1250 h60
  text "GNSS IN" at 1227.73,1191.19 h40 r315
  text "ANT" at 238.36,1181.1 h60 r90
  text "MAX" at 1842.05,1044.23 h60
  text "DIP1" at 1432.58,1022.4 h60
  text "10 MHz" at 235.56,964.57 h60 r90
  text "OUT" at 235.56,807.09 h60 r90
  text "PPS" at 294.85,716.18 h60 r90
  text "IN" at 237.3,654.45 h60 r90
  text "ON" at 235.56,461.1 h60 r90
  text "MODULE A" at 918,-432.34 h60
  text "MODULE B" at 1647,-432.34 h60
Bottom Overlay:
  lines w4.72: 1402.31,1383 1433.07,1383 ; 1402.31,1532 1433.07,1532
Top Solder:
  drawing of 74 lines, arcs and shapes, not listed
  text "designed by" at 1800.62,74 h50 r90
  text "ocptap.com" at 1882.03,71 h90 r90
Mechanical 1:
  lines w20: 240.27,-1.2 263.31,-3.47 285.47,-10.19 305.89,-21.1 323.78,-35.79 338.47,-53.69 349.39,-74.11 356.11,-96.27 358.38,-119.31 ; 240.27,-0.93 100.41,-1 80.04,5.18 52.49,19.9 34.59,34.59 19.91,52.49 8.99,72.91 2.27,95.07 0,118.11 0,1456.69 2.27,1479.73 8.99,1501.89 19.91,1522.31 34.59,1540.21 52.49,1554.9 72.91,1565.81 95.07,1572.53 118.11,1574.8 2069.57,1574.8 ; 358,-119.31 358,-409.89 360.75,-437.82 365.99,-455.09 376.91,-475.51 391.59,-493.41 409.49,-508.1 428.62,-518.32 451.64,-525.3 2052.27,-525.3 ; 2052.27,-526 2075.31,-523.73 2097.47,-517.01 2117.89,-506.1 2135.78,-491.41 2150.47,-473.51 2161.39,-453.09 2168.11,-430.93 2171,-401.58 ; 2069.57,1574.88 2099.47,1565.81 2119.89,1554.9 2137.78,1540.21 2152.47,1522.31 2163.39,1501.89 2170.11,1479.73 2170.11,-401.58

## Text inside footprints (layer, text, board x,y; h text height)
CM4: Mechanical 4 "PCIe" at 1202.78,81.89 h27.56; Mechanical 4 "CAM0" at 1051.85,81.89 h27.56; Mechanical 4 "DSI0" at 809.08,125.2 h27.56; Mechanical 4 "1V8" at 640.76,1412.6 h27.56; Mechanical 4 "5V" at 692.91,1459.84 h27.56; Mechanical 4 "3V3" at 743.12,1412.6 h27.56; Mechanical 4 "ETH" at 1269.71,1440.16 h27.56; Mechanical 4 "HDMI1" at 848.11,77.95 h27.56; Mechanical 4 "HDMI0" at 674.23,81.89 h27.56; Mechanical 4 "DS1" at 568.92,101.58 h27.56; Mechanical 4 "TV" at 1190.97,121.26 h27.56; Mechanical 4 "CAM1" at 1053.17,125.2 h27.56; Mechanical 4 "SD" at 807.42,1436.22 h27.56; Mechanical 4 "USB" at 1245.44,125.2 h27.56; Mechanical 4 "GPIO" at 1058.09,1440.16 h27.56